# Altium PCB galileo_cleaned.PcbDoc (part 5 of 10)
Units mil, origin at the board's own origin, x right, y up, seen from the top; angles counter-clockwise.
Board outline 4205 x 2835.09 mil, 6 copper layers (TOP, PWR, LYR_1, LYR_2, GND, BOTTOM), stack 80.1 mil thick; 533 components, 432 nets, 2101 pads, 1155 vias.
Unrouted connection lines stored in the file: 669.
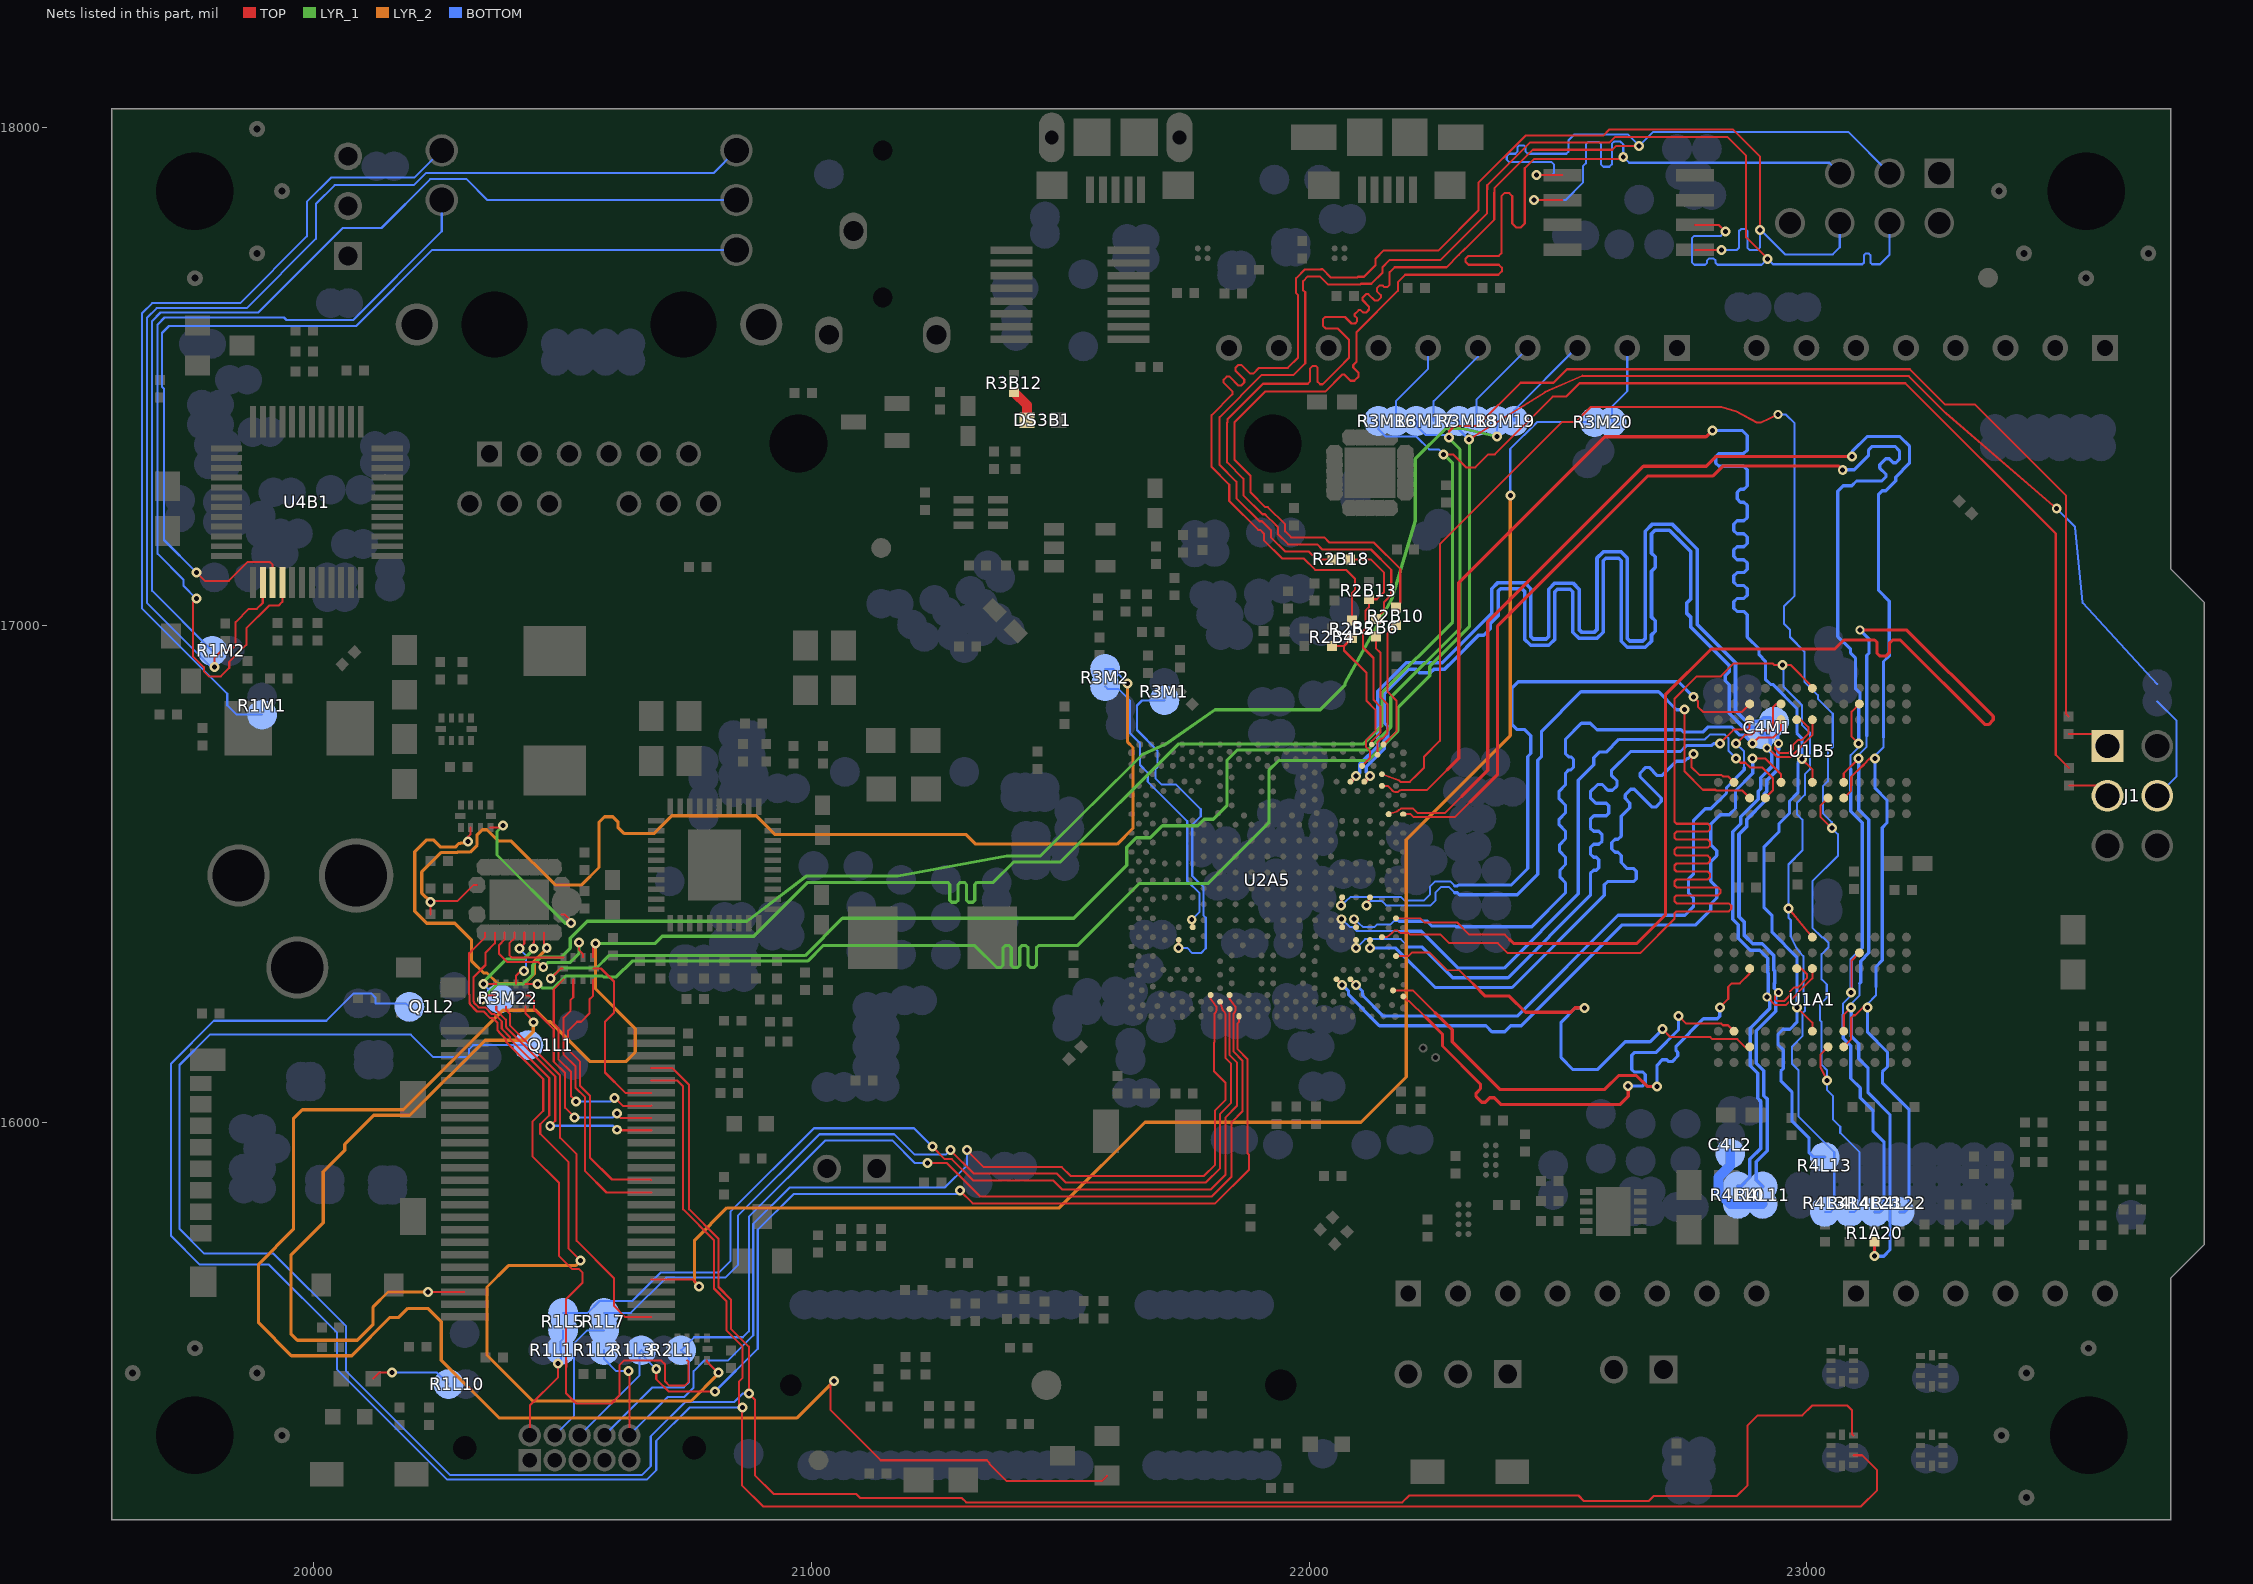
[diagram p9: the nets of this part, all layers, seen from the top]

## Via types
v1: diameter 20, hole 10, TOP to BOTTOM, 1096 vias
v2: diameter 18, hole 10, TOP to BOTTOM, 43 vias
v3: diameter 25, hole 25, TOP to BOTTOM, 16 vias

## Nets (pads, with @x,y where several pads share a name; then routed paths per layer and width w, separated by ;. In a path a pad name is that pad's centre, name@x,y a point inside that pad or via, vN(x,y) a via of type N, cw(c..) or ccw(c..) an arc to the next point about the centre after c; other vN are vias at no path point) (continued)
IO9_GPIO_PWM: R3M20.1 | length 3304.9
  TOP w4.2: 20678,15685 20761,15685 20774,15672 v1(20774,15671)
  LYR_2 w6.5: v1(20774,15671) 20774,15672 20765,15681 20765,15764 20830,15829 21498,15829 21670,16001 22104,16001 22195,16092 22195,16569 22404,16778 v1(22404,17260)
  BOTTOM w4.2: v1(22404,17260) 22404,17354 22458,17408 R3M20.1@22573,17408
IO9_GPIO_PWM_R: R3M20.2 | length 161.8
  BOTTOM w4.2: R3M20.2@22608,17408 22608,17439 22639,17470 22639,17557
IO10: R3M19.1 | length 2724.8
  TOP w4.2: v1(20338,16248) 20346,16256 20365,16256
  LYR_1 w6.5: v1(20338,16248) 20369,16279 20421,16279 20440,16298 20440,16317 20456,16333 20497,16333 20515,16351 20515,16371 20549,16405 20870.31,16405 20990,16496 21174,16496 21392,16536 21460,16536 21665,16740 21712,16761 21811,16830 22022,16830 22072,16880 22072,16883 22166,17053 22213,17209.09 22213,17334 22274,17395 22307.67,17395 v1(22377,17379)
  BOTTOM w4.2: v1(22377,17379) R3M19.1@22377,17410
IO10_GPIO_PWM:  | length 775.4
  TOP w4.2: 20386.16,16233.5 20386.16,16226.84 20394,16219 20394,16196 20495,16095 20495,15970 20528,15937 20528,15763 20603,15688 20603,15632 20625,15610 20678,15610
IO10_MUX:  | length 499.5
  TOP w4.2: 20366.47,16233.5 20366.47,16226.53 20385.8,16207.2 20385.8,16192.6 20387,16191.4 20387,16191 20485,16093 20485,16004 v1(20475,15994) ; v1(20609,15986) 20610,15985 20678,15985
  BOTTOM w4.2: v1(20475,15994) 20601,15994 v1(20609,15986)
IO10_R: R3M19.2 | length 200.8
  BOTTOM w4.2: R3M19.2@22412,17410 22412,17432 22537,17557 22539,17557
IO11: R3M18.1 | length 4681.3
  TOP w4.2: 20425.53,16278.5 v1(20449.5,16278.5) ; v1(22321,17373) 22474,17468 22549,17501 23205,17500 23279,17426 v1(23502,17234)
  LYR_1 w6.5: v1(20449.5,16278.5) 20451.5,16278.5 20459,16271 20482,16271 20506,16295 20580,16295 20582,16293 20608,16293 20640,16325 20992,16325 21023,16356 21328.13,16356 21372.13,16312 21380.53,16312 21384.73,16316.2 21384.73,16351.8 21388.93,16356 21397.33,16356 21401.53,16351.8 21401.53,16316.2 21405.73,16312 21414.13,16312 21418.33,16316.2 21418.33,16351.8 21422.53,16356 21430.93,16356 21435.13,16351.8 21435.13,16316.2 21439.33,16312 21447.73,16312 21451.93,16316.2 21451.93,16351.8 21456.13,16356 21534,16356 21659,16481 21797,16481 21919,16603 21919,16708 21939,16728 22119,16728 22178,16787 22178,16834 22242,16898 22242,16917 22322,16997 22322,17372 v1(22321,17373)
  BOTTOM w4.2: R3M18.1@22301,17410 22301,17393 v1(22321,17373) ; v1(23502,17234) 23539,17197 23554,17045 23704,16881.5
IO11_GPIO_PWM:  | length 1372.9
  TOP w4.2: v1(20229,15660) 20303,15660 ; 20425.53,16233.5 20425.53,16219.47 20443,16202 v1(20441,16202)
  LYR_2 w6.5: v1(20229,15660) 20149,15660 20119,15630 20119,15595 20087,15563 19967,15563 19954,15576 19954,15734 20019,15799 20019,15902 20062,15945 20062,15956.6 20120.4,16015 20193,16015 20344,16166 20424,16166 20441,16183 v1(20441,16202)
IO11_ICSP_R: J1.4 | length 221.8
  BOTTOM w4.2: J1.4@23704,16657 23743,16696 23743,16807.5 23704,16846.5
IO11_MUX:  | length 450.3
  TOP w4.2: 20427,16256 20432,16256 20442,16246 20442,16228 20482,16188 20482,16123 20505,16100 20505,16030 v1(20524,16011) ; v1(20609,16019) 20609,16017 20616,16010 20678,16010
  BOTTOM w4.2: v1(20524,16011) 20601,16011 v1(20609,16019)
IO11_R: R3M18.2 | length 189.7
  BOTTOM w4.2: R3M18.2@22336,17410 22336,17453 22439,17556 22439,17557
IO12: R3M17.1 | length 4592.8
  TOP w4.2: v1(20476,16290) 20496,16310 20500,16310 ; v1(22281,17377) 22281,17389 22292,17400 22338,17400 22425,17487 22490.72,17487 22491.37,17487.37 22518,17514 23207,17514 23278,17443 23338,17443 23521,17260 23521,16821.5 23526,16816.5
  LYR_1 w6.5: v1(20476,16290) 20497,16311 20568,16311 20593,16336 20987,16336 21062,16411 21527,16411 21633.55,16517.55 21633.55,16553.55 21652.74,16572.74 21680.74,16572.74 21705,16597 21776,16597 21789,16610 21807,16610 21835,16638 21835,16729 21855,16749 22118,16749 22164,16795 22164,16855 22303,16994 22303,17353 22280,17376 v1(22281,17377)
  BOTTOM w4.2: R3M17.1@22215,17410 22215,17401 22234,17382 22276,17382 v1(22281,17377)
IO12_GPIO:  | length 561.1
  TOP w4.2: 20521.16,16287.5 20521.16,16252.16 20516,16247 20516,16225 20502,16211 20502,16137 20526,16113 20526,16070 20545,16051 20545,15903 20588,15860 20678,15860
IO12_ICSP_R: J1.1 | length 88.1
  TOP w4.2: 23526,16781.5 23579.5,16781.5 J1.1@23604,16757
IO12_MUX:  | length 432.1
  TOP w4.2: 20501.47,16287.5 20482,16268.03 20482,16199.6 20492,16189.6 20492,16127 20517,16102 20517,16053 v1(20527,16043) ; v1(20604,16050) 20605,16050 20621,16034 20677,16034 20678,16035
  BOTTOM w4.2: v1(20527,16043) 20597,16043 v1(20604,16050)
IO12_R: R3M17.2 | length 183.9
  BOTTOM w4.2: R3M17.2@22250,17410 22250,17450 22339,17539 22339,17557
IO13: R3M16.1 | length 8218.4
  TOP w4.2: 20560.53,16332.5 20560.53,16354.53 v1(20566,16360) ; v1(21045,15481) 21038.5,15474.5 21038.5,15422.5 21139,15322 21352,15322 21358,15316 21358,15314 21392,15280 21583,15280 21594,15291 ; v1(22270,17343) 22289,17343 22315,17317 22334,17317 22360,17343 22373,17343 22489,17459 22516,17459 22543,17486 23198,17486 23500,17184 23500,16739.5 23527,16712.5
  LYR_1 w6.5: v1(20566,16360) 20685,16360 20700,16375 20884,16375 20992,16483 21273.55,16483 21277.75,16478.8 21277.75,16447.2 21281.95,16443 21290.35,16443 21294.55,16447.2 21294.55,16478.8 21298.75,16483 21307.15,16483 21311.35,16478.8 21311.35,16447.2 21315.55,16443 21323.95,16443 21328.15,16447.2 21328.15,16478.8 21332.35,16483 21365,16483 21406,16524 21500,16524 21737,16761 22109,16761 22146,16798 22146,16864 22288,17006 22288,17325 v1(22270,17343)
  LYR_2 w6.5: v1(20566,16360) 20566,16269 20646,16189 20646,16142 20627,16123 20555,16123 20475,16203 20469,16203 20446,16226 20380,16226 20180,16026 19977,16026 19959,16008 19959,15786 19889,15716 19889,15598 19955,15532 20076,15532 20153,15609 20171,15609 20189,15627 20229,15627 20256,15600 20256,15523 20372,15407 20971,15407 v1(21045,15481)
  BOTTOM w4.2: R3M16.1@22139,17410 22139,17394 22154,17379 22215,17379 22241,17353 22260,17353 v1(22270,17343)
IO13_GPIO:  | length 542.6
  TOP w4.2: 20560.53,16287.5 20560.53,16254.53 20554,16248 20554,16220 20537,16203 20529,16203 20511,16185 20511,16147 20535,16123 20535,16074 20555,16054 20555,15930 20599,15886 20677,15886 20678,15885
IO13_ICSP_R: J1.3 | length 85.5
  TOP w4.2: 23527,16677.5 23583.5,16677.5 J1.3@23604,16657
IO13_MUX:  | length 352.2
  TOP w4.2: 20562,16310 20577,16310 20603,16284 20603,16221 20585,16203 20585,16101 20626,16060 20678,16060
IO13_R: R3M16.2 | length 173.9
  BOTTOM w4.2: R3M16.2@22174,17410 22174,17450 22239,17515 22239,17557
JTAG_TCK: R1L7.2 U2A5.M3 | length 1855
  TOP w4: U2A5.M3@21820.98,16243.26 21822.64,16237.94 21825.94,16227.3 21829.14,16223.3 21831.99,16218.67 21831.99,16130.01 21843,16119
  TOP w4.2: v1(21279,15945) 21326,15898 21493,15898 21511,15880 21792,15880 21821,15909 21821,16018 21843,16040 21843,16119
  BOTTOM w4.2: R1L7.2@20583,15618 20637,15618 20708,15689 20827,15689 20852,15714 20852,15813 21016,15977 21166,15977 21207.1,15935.9 21269.9,15935.9 v1(21279,15945)
JTAG_TCK_R: R1L7.1 | length 271.9
  BOTTOM w4.2: 20484,15372 20523,15411 20523,15557 20549,15583 R1L7.1@20583,15583
JTAG_TDI: R2L1.2 U2A5.N4 | length 2149.6
  TOP w4: U2A5.N4@21839.98,16256.82 21839.99,16249.01 21849.15,16236.37 21850.52,16234.59 21852.06,16233.05 21852.06,16227.05 21850.85,16223.04 21847.99,16219.16 21847.99,16143.01 21866,16125
  TOP w4.2: v1(21233,15919) 21233.1,15918.9 21272.1,15918.9 21339,15852 21804,15852 21844,15892 21844,16001 21866,16023 21866,16125
  BOTTOM w4.2: 20584,15372 20680.5,15468.5 20743.5,15468.5 20754,15479 20754,15527 R2L1.2@20738,15543 20764,15569 20862,15569 20874,15581 20874,15811 21027,15964 21163,15964 21208,15919 v1(21233,15919)
JTAG_TDO: R1L3.2 U2A5.R1 | length 2159.1
  TOP w4: U2A5.R1@21858.99,16213.93 21858.99,16203 21855.99,16200 21855.99,16148.01 21876,16128
  TOP w4.2: v1(20688,15505) 20688,15485 20713,15460 v1(20806,15460) ; v1(21298,15864) 21324,15838 21811,15838 21879,15906 21879,15936 21876,15939 21876,16128
  BOTTOM w4.2: 20534,15372 20654,15492 20654,15539 R1L3.2@20658,15543 20664.8,15536.2 20664.8,15528.2 v1(20688,15505) ; v1(20806,15460) 20892,15546 20892,15785 20964,15857 21291,15857 v1(21298,15864)
JTAG_TMS: R1L5.2 U2A5.N2 | length 1954.4
  TOP w4: U2A5.N2@21839.98,16228.59 21839.98,16220.96 21839.99,16136.01 21855,16121
  TOP w4.2: v1(21243,15952) 21267.9,15927.1 21281.9,15927.1 21325,15884 21486,15884 21504,15866 21802,15866 21832,15896 21832,16011 21855,16034 21855,16121
  BOTTOM w4.2: R1L5.2@20501,15618 20550,15618 20574,15642 20640,15642 20697.5,15699.5 20814.5,15699.5 20837,15722 20837,15821 21005,15989 21206,15989 v1(21243,15952)
JTAG_TMS_R: R1L1.2 R1L5.1 | length 239.6
  TOP w4.2: 20434,15372 20434,15432 20491,15489 v1(20491,15516)
  BOTTOM w4.2: v1(20491,15516) 20497,15522 20497,15542 R1L1.2@20496,15543 20496,15560.9 20501,15565.9 R1L5.1@20501,15583
JTAG_TRST_N: R1L2.1 U2A5.L4 | length 2184.9
  TOP w4: U2A5.L4@21801.98,16256.82 21801.98,16249.01 21811.14,16236.37 21812.51,16234.59 21814.05,16233.05 21814.05,16227.05 21812.84,16223.04 21809.98,16219.16 21809.98,16162.61 21809,16161.63 21809,16152
  TOP w4.2: v1(20632,15501) 20634,15499 20634,15372 ; v1(21312,15945) 21346,15911 21503,15911 21521,15893 21788,15893 21811,15916 21811,16025 21832,16046 21832,16080 21809,16103 21809,16152
  BOTTOM w4.2: R1L2.1@20583,15543 20583,15526 20608,15501 v1(20632,15501) ; 20634,15372 20711,15449 20744,15449 20763,15468 20763,15501 20784,15522 20832,15522 20883,15573 20883,15797 20956,15870 21268,15870 21312,15914 v1(21312,15945)
LED_ACT: U4B1.26 | length 2355.5
  TOP w4.2: v1(19800,16916) 19800,16934 19816,16950 19833,16950 19843,16960 19843,17006 19869.5,17032.5 19885.5,17032.5 19897.42,17044.42 U4B1.26@19897.42,17085.58
  BOTTOM w4.2: v1(19800,16916) 19793,16916 19665,17044 19665,17618 19684,17637 19865,17637 20004,17776 20004,17846 20042,17884 20201,17884 20225,17908 20803,17908 20849,17954
LED_LINK: U4B1.28 | length 1746
  TOP w4.2: v1(19764,17053) 19757,17046 19757,16937.63 19779.1,16915.53 19779.1,16906.9 19789,16897 19813,16897 19830,16914 19830,16926 19864.5,16960.5 19864.5,16993.5 19910.5,17039.5 19929.5,17039.5 19936.79,17046.79 U4B1.28@19936.79,17085.58
  BOTTOM w4.2: v1(19764,17053) 19738,17079 19738,17091 19686,17143 19686,17604 19700,17618 19940,17618 19945,17613 20079,17613 20257,17791 20257,17854
LED_RJ45_C1: R1M1.1 | length 1714.9
  BOTTOM w4.2: R1M1.1@19896,16820 19845,16820 19826,16839 19826,16862 19655,17033 19655,17627 19675,17647 19852,17647 19986,17781 19986,17850.6 20034.4,17899 20202,17899 20257,17954
LED_RJ45_C2: R1M2.1 | length 2022.6
  BOTTOM w4.2: R1M2.1@19796,16948 19675,17069 19675,17611 19692,17628 19888,17628 20058,17798 20136,17798 20234,17896 20307,17896 20349,17854 20849,17854
LED_SD: R1L10.1 | length 166
  TOP w4.2: 20119,15486 20131,15498 v1(20157,15498)
  BOTTOM w4.2: v1(20157,15498) 20247.5,15498 R1L10.1@20270.5,15475
LED_SPEED: U4B1.27 | length 1946.5
  TOP w4.2: v1(19764,17106) 19781,17089 19829,17089 19867,17127 19911,17127 19917.1,17120.9 U4B1.27@19917.1,17085.58
  BOTTOM w4.2: v1(19764,17106) 19699,17171 19699,17475 19695,17479 19695,17587 19709,17601 20085,17601 20238,17754 20849,17754
LED_VBUS1: DS3B1.1 R3B12.1 | length 66.8
  TOP w20: R3B12.1@21407,17468 21433,17442 DS3B1.1@21433,17412
LSPI_CS_N: R2B6.2 | length 3138.8
  TOP w4.2: R2B6.2@22134,17012 22150.5,17028.5 22150.5,17046.42 22164.8,17060.72 22164.8,17111.11 22124.11,17151.8 22026.4,17151.8 22016,17162.2 21957.71,17162.2 21937.3,17182.61 21937.3,17196.61 21932.45,17201.45 21912.96,17220.95 21911.12,17222.8 21906.12,17222.8 21867.8,17261.12 21867.8,17294.1 21835,17326.9 21835,17406.82 21835.8,17407.62 21835.8,17413.61 21904.18,17482 21907.17,17485 21997,17485 22002,17490 22002,17516 22007,17521 22013,17521 22017,17517 22017,17489 22022,17484 22027.01,17484 22059,17515.99 22080,17537 22080,17573 22057,17596 22033.08,17596 22027.54,17601.54 22027.54,17614.54 22032,17619 22072,17619 22085,17606 22092.11,17606 22096.44,17610.33 22096.44,17616.27 22091,17621.71 22091,17624.8 22099.2,17633 22103.47,17633 22108.32,17628.15 22114.26,17628.15 22120.2,17634.09 22120.2,17640.03 22107,17653.23 22107,17658 22114,17665 22118.99,17665 22132.08,17651.91 22138.03,17651.91 22144,17657.88 22144,17663 22136,17671 22136,17676.92 22141.08,17682 22148,17682 22151,17679 22157,17679 22161.7,17683.7 22161.7,17709 22171.7,17719 22276,17719 22300.8,17743.8 22300.8,17743.88 22313.12,17756.2 22313.2,17756.2 22371.8,17814.8 22371.8,17868.88 22372,17869.08 22372,17877.92 22449.28,17955.2 22608.89,17955.2 22616.69,17963 v1(22663,17963) ; v1(22457,17904) 22509,17904
  BOTTOM w4.2: v1(22457,17904) 22487,17904 22492,17909 22492,17925.31 22487,17930.31 22401.92,17930.31 22397,17935.23 22397,17942.19 22401.92,17947.11 22413.98,17947.11 22418.18,17951.31 22418.18,17959.8 22422.38,17964 22430.78,17964 22434.98,17959.8 22434.98,17951.31 22439.18,17947.11 22516.8,17947.11 22521,17951.31 22521,17974 22533,17986 22640,17986 v1(22663,17963) 22691,17991 23083,17991 23166,17908
LSPI_CS_N_R: R2B6.1 U2A5.AM33 | length 257.1
  TOP w4: U2A5.AM33@22137.12,16739.48 22137.12,16762.12 22137.19,16762.19 22137.19,16765.05 22144.21,16772.07 22147.07,16772.07 22151,16776
  TOP w4.2: R2B6.1@22134,16977 22134,16953.4 22143.4,16944 22143.4,16855 22157.2,16841.2 22157.2,16782.2 22151,16776
LSPI_MISO: R2B10.2 U2A5.AN35 | length 264.6
  TOP w4.2: U2A5.AN35@22149.19,16760.07 22175,16785.88 22175,16848.6 22157.6,16866 22157.6,16983.6 R2B10.2@22174,17000
LSPI_MISO_R: R2B10.1 | length 2961.9
  TOP w4.2: R2B10.1@22174,17035 22183,17044 22183,17113 22130,17166 22040.4,17166 22030,17176.4 21963.6,17176.4 21951.5,17188.5 21951.5,17202.5 21917,17237 21912,17237 21882,17267 21882,17300 21850,17332 21850,17407.73 21911.27,17469 21993.37,17469 21993.47,17469.1 22032.19,17469.1 22066.59,17503.5 22070.5,17503.5 22083,17491 22090.8,17491 22099,17499.2 22099,17507 22088.5,17517.5 22088.5,17522.5 22095,17529 22095,17588.8 22178,17671.8 22178,17689.1 22192.9,17704 22380,17704 22387,17711 22387,17718 22381,17724 22320,17724 22314,17730 22314,17736 22320,17742 22381,17742 22386,17747 22386,17862 22392,17868 22402,17868 22408,17862 22408,17807 22416,17799 22425,17799 22433,17807 22433,17918 22451.8,17936.8 22626.8,17936.8 v1(22631,17941) ; v1(22452,17854) 22509,17854
  BOTTOM w4.2: v1(22452,17854) 22515,17854 22550,17889 22550,17922 22556,17928 22556,17966 22561,17971 22582,17971 22586,17967 22586,17926 22591,17921 22603,17921 22608,17926 22608,17967 22612.8,17971.8 22625.2,17971.8 22631,17966 v1(22631,17941) 22643,17929 23045,17929 23066,17908
LSPI_MOSI: R2B5.2 | length 2852.5
  TOP w4.2: R2B5.2@22086,17009 22086,17064 22092,17070 22092,17093 22074,17111 22011.8,17111 21989,17133.8 21945.93,17133.8 21908.9,17170.83 21908.9,17184.1 21901.68,17191.32 21897.43,17191.32 21839.4,17249.35 21839.4,17282.3 21804,17317.7 21804,17422 21845.73,17463.73 21845.73,17469.67 21828.17,17487.23 21828.17,17493.17 21834.11,17499.11 21840.05,17499.11 21857.61,17481.55 21863.55,17481.55 21869.49,17487.49 21869.49,17493.43 21851.93,17510.99 21851.93,17516.93 21857.87,17522.87 21863.81,17522.87 21881.37,17505.31 21887.31,17505.31 21899,17517 21957,17517 21977.8,17537.8 21977.8,17662.86 21973.69,17666.96 21973.69,17685.27 21973.69,17697.03 21991.56,17714.9 22024.16,17714.9 22024.26,17715 22027,17715 22043.8,17698.2 22096.44,17698.2 22098.24,17700 22110,17700 22133.3,17723.3 22133.3,17736.3 22150,17753 22260,17753 22340,17833 22340,17889.1 22341.9,17891 22342,17891 22434.6,17983.6 22437.51,17983.6 22461.04,17983.6 22591.01,17983.6 22603.41,17996 22851,17996 22906,17941 v1(22906,17794) ; 22775,17754 v1(22828,17754)
  BOTTOM w4.2: v1(22828,17754) 22859.49,17754 22863.69,17758.2 22863.69,17791.8 22867.89,17796 22876.29,17796 22880.49,17791.8 22880.49,17758.2 22884.69,17754 22901,17754 22906,17759 v1(22906,17794) 22907,17794 22956,17745 23052,17745 23066,17759 23066,17808
LSPI_MOSI_R: R2B4.1 R2B5.1 U2A5.AK32 | length 331.5
  TOP w4.2: R2B4.1@22046,16958 22070,16958 ; R2B5.1@22086,16974 22070,16958 ; U2A5.AK32@22106.04,16717.18 22115.31,16726.45 22115.45,16726.45 22122,16733 22122,16747.2 22113.94,16755.26 22113.94,16767.94 22133,16787 22133,16830 22115,16848 22115,16904 22070,16949 22070,16958
LSPI_SCK: R2B18.2 | length 2835.7
  TOP w4.2: R2B18.2@22047,17132 22014.89,17132 21998.89,17148 21951.82,17148 21923.1,17176.72 21923.1,17190.71 21918.25,17195.55 21907.07,17206.75 21905.23,17208.6 21900.24,17208.6 21853.6,17255.24 21853.6,17288.2 21820,17321.8 21820,17417.91 21904.89,17502.8 21968.64,17502.8 21992,17526.16 21992,17668.74 21987.9,17672.85 21987.9,17691.15 21997.44,17700.7 22021.22,17700.7 22037.92,17684 22102.32,17684 22104.12,17685.8 22115.88,17685.8 22124.8,17685.8 22147.5,17708.5 22147.5,17719.5 22161.2,17733.2 22263.2,17733.2 22357.6,17827.6 22357.6,17874.76 22357.8,17874.96 22357.8,17883.8 22443.4,17969.4 22455.16,17969.4 22603,17969.4 22614.6,17981 22840,17981 22878,17943 22878,17779 v1(22921,17736) ; 22775,17804 22823,17804 v1(22836,17791)
  BOTTOM w4.2: v1(22836,17791) 22827,17782 22774,17782 22769,17777 22769,17729 22774,17724 22795.24,17724 22799.44,17728.2 22799.44,17732.8 22803.64,17737 22812.04,17737 22816.24,17732.8 22816.24,17728.2 22820.44,17724 22909,17724 v1(22921,17736) 22932,17725 23111.17,17725 23114.87,17728.69 23114.87,17743.31 23118.56,17747 23123.78,17747 23127.47,17743.31 23127.47,17728.69 23131.15,17725 23147,17725 23166,17744 23166,17808
LSPI_SCK_R: R2B13.1 R2B18.1 U2A5.AM35 | length 473.7
  TOP w4.2: R2B18.1@22082,17132 22123.82,17132 22150.6,17105.22 22150.6,17066.6 22136,17052 R2B13.1@22120,17052 22120.16,17036.16 22113.2,17029.2 22113.2,16993.12 22108,16987.92 22108,16955.08 22129.2,16933.88 22129.2,16849.8 22143,16836 22143,16784 22125.54,16766.54 U2A5.AM35@22125.54,16760.07
LVL_GPIO_INT_IO3:  | length 1702.9
  TOP w4.2: 20363.79,16382.5 20363.79,16360.79 20345,16342 20345,16317 20321,16293 20321,16244 20321.9,16243.1 20321.9,16241.33 20331.33,16231.9 20344.44,16231.9 20357.94,16218.4 20363,16218.4 20377.6,16203.8 20377.6,16189.21 20378.8,16188.01 20378.8,16187.6 20394,16172.4 20394,16169 20473,16090 20473,16015 20455,15997 20455,15978 20512,15921 20512,15747 v1(20536,15723) ; 20789.53,15522.5 20789.53,15520.47 20813,15497 v1(20813,15498)
  LYR_2 w6.5: v1(20536,15723) 20526,15713 20391,15713 20348,15670 20348,15533 20440,15441 20758,15441 20813,15496 v1(20813,15498)
LVL_I2C_SCL: Q1L2.3 | length 5727.8
  TOP w4.2: 20678,16085 20730,16085 20742,16073 20742,15826 20804,15764 20804,15667 20829,15642 20829,15583 20861,15551 20861,15487 20854,15480 20854,15435 v1(20861,15428) 20860,15427 20860,15272 20902.9,15229.1 23108.1,15229.1 23141,15262 23141,15302 23111,15332 23093.66,15332 23093.5,15332.16
  BOTTOM w4.2: Q1L2.3@20192,16233 20185,16240 20124,16240 20124,16251 20115,16260 20080,16260 20025,16205 19799,16205 19713,16119 19713,15772.89 19770.89,15715 19909.89,15715 20046.89,15578 20046.89,15504.11 20268,15283 20669,15283 20688,15302 20688,15361 20755,15428 v1(20861,15428)
LVL_I2C_SDA: Q1L1.3 | length 5970
  TOP w4.2: 20678,16110 20720,16110 20754,16076 20754,15826 20813,15767 20813,15670 20838,15645 20838,15586 20874,15550 v1(20874,15456) 20886.1,15443.9 20886.1,15292 20924.1,15254 21090,15254 21098,15246 21302,15246 21310.7,15237.3 22187.3,15237.3 22201,15251 22541,15251 22552,15240 22682,15240 22692,15250 22859,15250 22881,15272 22881,15392 22901,15412 22991,15412 23011,15432 23081,15432 23091,15422 23091,15374.03 23093.5,15371.53
  BOTTOM w4.2: Q1L1.3@20431,16156 20320.2,16156 20312,16147.8 20312,16132 20240,16132 20195,16177 19791,16177 19730,16116 19730,15787 19780,15737 19919,15737 20065,15591 20065,15501 20274,15292 20659,15292 20677,15310 20677,15370 20746,15439 20845,15439 20862,15456 v1(20874,15456)
LVL_INT_S3_R: R3M1.2 U2A5.G11 | length 717.7
  TOP w4.2: v1(21737.8,16351.35) U2A5.G11@21737.8,16367.35
  BOTTOM w4.2: R3M1.2@21709,16849 21708.5,16848.5 21664,16848.5 21654,16838.5 21654,16837.19 21653.89,16837.08 21653.89,16789.11 21695,16748 21695,16714 21691,16710 21691,16692 21703,16680 21732,16680 21782,16630 21782,16616 21765,16599 21765,16495.9 21787.9,16473 21787.9,16416.33 21792.1,16412.13 21792.1,16350.33 21782.67,16340.9 21769.33,16340.9 21769.23,16341 21765.25,16341 21754.9,16351.35 v1(21737.8,16351.35)
LVL_IO2:  | length 1498.3
  TOP w4.2: 20344.1,16382.5 20344.1,16373.1 20312,16341 20312,16257.81 20312.8,16257.01 20312.8,16240.6 20313.7,16239.7 20313.7,16237.93 20327.93,16223.7 20341.05,16223.7 20354.55,16210.2 20359.61,16210.2 20369.4,16200.41 20369.4,16185.81 20370.6,16184.61 20370.6,16184.2 20372,16182.8 20372,16182.2 20385.8,16168.4 20385.8,16165.6 20386,16165.4 20386,16163 20461,16088 20461,16024 20439,16002 20439,15933 20493,15879 20493,15732 20518.5,15706.5 20532.5,15706.5 20540,15699 20540,15679 20507,15646 20507,15522.77 20507.1,15522.67 20507.1,15509.33 20507,15509.23 20507,15456 20527,15436 20598,15436 20614,15452 20614,15513 20623,15522 20698,15522 20705.5,15514.5 20705.5,15480.5 20714,15472 20745,15472 20753,15480 20753,15519.66 20750.16,15522.5
LVL_OE: R3M2.1 | length 2257
  TOP w4.2: 20234.5,16419 v1(20234.5,16444) 20236.5,16446 20289,16446 20320.53,16477.53 20328,16477.53
  LYR_2 w6.5: v1(20234.5,16444) 20217,16461.5 20217,16504 20256.25,16543.25 20288.5,16543.25 20289.25,16544 20314,16544 20328,16558 20328,16579 20338,16589 20348,16589 20371,16566 20397,16566 20485,16478 20538,16478 20573,16513 20573,16604 20584,16615 20601,16615 20611,16605 20611,16594 20624,16581 20683,16581 20719,16617 20889,16617 20927,16579 21311,16579 21330,16560 21614,16560 21646,16592 21646,16754 21635,16765 v1(21635,16883)
  BOTTOM w4.2: R3M2.1@21590,16912 21606,16912 v1(21635,16883)
LVL_OE_R: R3M2.2 U2A5.J12 | length 582.3
  TOP w4.2: v1(21764,16408) 21765.8,16406.2 U2A5.J12@21765.8,16393
  BOTTOM w4.2: R3M2.2@21590,16877 21595.62,16871.38 21617,16871.38 21639.69,16848.69 21639.69,16783.22 21660,16762.91 21660,16719 21675.5,16703.5 21675.5,16685.5 21755,16606 21755,16485.7 21779.7,16461 21779.7,16423.7 v1(21764,16408)
LVL_RXD:  | length 330.4
  TOP w4.2: 20354.53,16593.5 20378.54,16593.5 20380,16592.04 20379.77,16591.81 v1(20379.77,16597) ; 20498,16418.47 20504.53,16418.47 20517,16406 v1(20517,16401)
  LYR_1 w6.5: v1(20379.77,16597) 20368,16585.23 20368,16538 20505,16401 v1(20517,16401)
LVL_SPI1_CS_N: R3M22.2 | length 236.1
  TOP w4.2: v1(20340.5,16278.5) 20366.47,16278.5 ; v1(20441,16350) 20441,16361.47 20442.53,16363 20442.53,16382.5
  LYR_1 w6.5: v1(20340.5,16278.5) 20340.5,16282.5 20387,16329 20422,16329 20441,16348 v1(20441,16350)
  BOTTOM w4.2: v1(20340.5,16278.5) 20356,16263 R3M22.2@20373,16250
LVL_SPI1_MISO:  | length 160
  TOP w4.2: 20403.16,16382.5 20403.16,16371.16 20393,16361 20393,16337 20397.5,16332.5 20501.47,16332.5
LVL_SPI1_MOSI:  | length 125.3
  TOP w4.2: 20405.84,16278.5 20405.84,16294.84 20416,16305 v1(20422,16305) ; v1(20413,16350) 20422.84,16359.84 20422.84,16382.5
  BOTTOM w4.2: v1(20413,16350) 20426,16337 20426,16312 20422,16308 v1(20422,16305)
LVL_SPI1_SCK:  | length 284.8
  TOP w4.2: 20383.47,16382.5 20383.47,16368.47 20372,16357 20372,16340 20389,16323 20451,16323 v1(20461,16313) ; v1(20533,16362) 20533,16346.84 20540.84,16339 20540.84,16332.5
  LYR_1 w6.5: v1(20461,16313) 20470,16322 20514,16322 20533,16341 v1(20533,16362)
LVL_TXD:  | length 706.3
  TOP w4.2: v1(20310,16565) 20310,16575 20315.16,16580.16 20315.16,16593.5 ; 20462.21,16382.5 20462.21,16356.79 v1(20468,16351)
  LYR_2 w6.5: v1(20310,16565) 20309,16565 20306,16562 20295,16562 20294.25,16561.25 20291.65,16561.25 20284.4,16554 20255,16554 20241,16568 20226,16568 20203,16545 20203,16425 20227,16401 20283,16401 20317,16367 20317,16325 20341,16301 20348,16301 20369,16280 20424,16280 20443,16299 20443,16325 20468,16350 v1(20468,16351)
M_BS<0>: R4L22.1 U1A1.J2 U1B5.J2 U2A5.AP26 | length 3446.6
  TOP w4: U2A5.AP26@22159.74,16620.03 22175.7,16624.98 22179.7,16628.18 22184.33,16631.03 22209,16631.03 22218.03,16622 22272.74,16622 22306.74,16656
  TOP w4.2: U1A1.J2@23073.99,16152.51 23089,16167.52 23089,16177.66 23089.09,16177.75 23089.09,16211.09 23094,16216 23097,16216 23113,16232 v1(23122,16232) ; U1B5.J2@23073.99,16652.51 23089,16667.52 23089,16677.66 23089.09,16677.75 23089.09,16695.09 23109.9,16715.9 23110.67,16715.9 23120.1,16725.33 23120.1,16726.1 23126,16732 v1(23137,16732)
  TOP w6.5: 22306.74,16656 22358.95,16708.21 22358.95,17006.36 22671.59,17319 22798,17319 22818,17339 v1(23091,17339)
  BOTTOM w4.2: v1(23122,16232) 23122,16239.23 23138.9,16256.13 23138.9,16273 ; v1@23137,16738 23153.9,16754.9 23153.9,16774
  BOTTOM w6.5: v1(23091,17339) 23091,17349 23121,17379 23187,17379 23206,17360 23206,17325 23178.5,17297.5 23178.5,17289.92 23158.68,17270.1 23151.1,17270.1 23144,17263 23144,17069.5 23165.5,17048 23165.5,16938.5 23153.9,16926.9 23153.9,16774 ; v1(23122,16232) 23122,16182 23162,16142 23162,16112.4 23151.75,16102.15 23151.75,16080.25 23205,16027 23205,15829 23197,15821 R4L22.1@23186,15821 ; v1@23137,16738 v1(23137,16732) 23137,16672 23161,16648 23161,16603 23151.25,16593.25 23151.25,16326.25 23138.9,16313.9 23138.9,16273
M_BS<1>: R4L23.1 U1A1.K8 U1B5.K8 U2A5.AT26 | length 3431.3
  TOP w4: U2A5.AT26@22189.07,16620.03 22203.99,16620.02 22210.01,16614 22292.32,16614 22323.16,16644.84
  TOP w4.2: v1(23089,16262) 23090,16263 23090,16326 U1A1.K8@23105.49,16341.49 ; v1(23104,16762) 23090,16776 23090,16826 U1B5.K8@23105.49,16841.49
  TOP w6.5: 22323.16,16644.84 22378.45,16700.13 22378.45,16998.28 22679.67,17299.5 22810.5,17299.5 22830.5,17319.5 23064.5,17319.5 v1(23072,17312)
  BOTTOM w4: 23073,16217 23073,16240 23089,16256 v1(23089,16262)
  BOTTOM w4.2: 23087.9,16711 23087.9,16738.67 23104,16754.77 v1(23104,16762)
  BOTTOM w6.5: v1(23072,17312) 23095,17312 23124,17341 23124,17352 23131,17359 23177,17359 23186,17350 23186,17333 23179,17326 23173.46,17326 23165.27,17334.2 23158.2,17334.2 23146.54,17322.54 23146.54,17315.46 23159,17303 23159,17298 23150.6,17289.6 23099.6,17289.6 23090,17280 23073,17280 23062,17269 23062,16977 23087.75,16951.25 23087.75,16943.85 23097.5,16934.1 23097.5,16872.89 23106.51,16863.88 23106.51,16841.51 23104,16839 v1(23104,16762) ; 23073,16217 23073,16170 23088,16155 23088,16089 23107,16070 23107,16050 23133,16024 23133,15983 23155,15961 23155,15829 23147,15821 R4L23.1@23136,15821 ; 23087.9,16711 23087.9,16626.1 23111.25,16602.75 23111.25,16351.25 23089,16329 v1(23089,16262)
M_BS<2>: R1A20.1 U1A1.J3 U1B5.J3 U2A5.AR13 | length 3700.5
  TOP w4: U2A5.AR13@22174.41,16410.98 22223.02,16410.98 22232,16402 22298,16402 22322,16378 22393,16378 22403,16368
  TOP w4.2: U1A1.J3@23073.99,16184.01 23073.99,16216.99 v1(23089,16232) ; U1B5.J3@23073.99,16684.01 23073.99,16701.99 v1(23104,16732)
  TOP w6.5: 22403,16368 22410.75,16360.25 22658.44,16360.25 22715.65,16417.46 22715.65,16859.65 22808,16952 23056,16952 23074,16970 23136,16970 23141,16965 23141,16943 23146,16938 23159.35,16938 23165.85,16944.5 23165.85,16963.5 23172.35,16970 23188,16970 23357.96,16800.04 23365.04,16800.04 23374.46,16809.46 23374.46,16816.54 23201,16990 v2(23107,16990) ; v1(23136,15732) R1A20.1@23136,15761
  BOTTOM w4.2: v1(23089,16232) 23089,16239.23 23105.9,16256.13 23105.9,16280 ; v1@23104,16739.23 23120.1,16755.33 23120.1,16777
  BOTTOM w6.5: v1(23089,16232) 23089,16174 23104,16159 23104,16129 23123,16110 23123,16060 23167,16016 23167,15744.74 23154.26,15732 v1(23136,15732) ; v1@23104,16739.23 v1(23104,16732) 23104,16629 23124.25,16608.75 23124.25,16341.25 23108,16325 23108,16282.1 23105.9,16280 ; v2(23107,16990) 23125,16972 23125,16944 23120.1,16939.1 23120.1,16777
M_CAS_N: R4L13.1 U1A1.G3 U1B5.G3 U2A5.AN29 | length 3293.2
  TOP w4: U2A5.AN29@22146.18,16677.04 22157.44,16677.04 22166.5,16667.97 22167.65,16667.1 22169.52,16665.97 22172.67,16665.04 22178.32,16665.04 22181.87,16667.52 22184.98,16668.94 22187,16669.03 22228.44,16669.04 22237.04,16669.04 22277,16709 ; v1(22980,16232) 23011,16201
  TOP w4.2: v1(22990,16731) 23011,16710 U1B5.G3@23011,16684.01 ; U1A1.G3@23011,16184.01 23011,16201
  TOP w6.5: 22277,16709 22300.45,16732.45 22300.45,17085.03 22593.93,17378.5 22610.07,17378.5 ; 22610.08,17378.5 22797.5,17378.5 v1(22810,17391)
  BOTTOM w6.5: v1(22810,17391) 22870,17391 22880,17381 22880,17351.54 22873.5,17345.04 22823.5,17345.04 22817,17338.54 22817,17325.54 22823.5,17319.04 22873.5,17319.04 22880,17312.54 22880,17279.56 22873.5,17273.06 22866.5,17273.06 22860,17266.56 22860,17253.56 22866.5,17247.06 22873.5,17247.06 22880,17240.56 22880,17216.01 22873.5,17209.51 22859.5,17209.51 22853,17203.01 22853,17190.01 22859.5,17183.51 22873.5,17183.51 22880,17177.01 22880,17164.01 22873.5,17157.51 22859.5,17157.51 22853,17151.01 22853,17138.01 22859.5,17131.51 22873.5,17131.51 22880,17125.01 22880,17112.01 22873.5,17105.51 22859.5,17105.51 22853,17099.01 22853,17086.01 22859.5,17079.51 22873.5,17079.51 22880,17073.01 22880,17060.01 22873.5,17053.51 22859.5,17053.51 22853,17047.01 22853,17034.01 22859.5,17027.51 22873.5,17027.51 22880,17021.01 22880,16976 22904,16952 22904,16940 22916.75,16927.25 22916.75,16890.85 22926.85,16880.75 22931.73,16880.75 22980,16832.48 22980,16783 22990,16773 v1(22990,16731) 22982,16723 22982,16663 22965,16646 22965,16622 22944,16601 22944,16584.63 22914,16554.63 22914,16432 22930,16416 22930,16382.49 22980,16332.48 v1(22980,16232) 22980,16202 22966,16188 22952,16188 22942,16178 22942,16157 22952.5,16146.5 22952.5,16108.9 22947.75,16104.15 22947.75,16084.25 22970,16062 22970,16004 23004,15970 23004,15941 23014,15931 R4L13.1@23036,15931
M_CK<0>: C4M1.1 R4L11.1 U1A1.F7 U1B5.F7 U2A5.AJ30 | length 3614.1
  TOP w4: v2(22943,16262) 22935.66,16254.66 22935.66,16248.66 22939.81,16244.5 22954,16244.5 22966.22,16256.72 22966.22,16264.22 22973.75,16271.75 22981.25,16271.75 23000,16290.5 23000,16299 22989.01,16309.99 U1A1.F7@22979.5,16309.99 ; v2(22943,16762) 22936,16755 22936,16751 22944,16743 22964,16743 22972,16751 22972,16759 22982.5,16769.5 22990.5,16769.5 23003,16782 23003,16795 22988.01,16809.99 U1B5.F7@22979.5,16809.99
  TOP w7.2: U2A5.AJ30@22082.8,16685.38 22083.03,16685.38 v1(22094.2,16696.55)
  BOTTOM w7.2: v1(22094.2,16696.55) 22101.95,16704.3 22101.95,16720.75 22138,16756.8 22138,16867 22195.15,16924.15 22267.15,16924.15 22367,17024 22367,17073.18 22379.32,17085.5 22432.87,17085.5 22445.19,17073.18 22445.19,16977 22450.19,16972 22476.19,16972 22481.19,16977 22481.19,17072.18 22493.51,17084.5 22529.87,17084.5 22542.19,17072.18 22542.19,16991 22547.19,16986 22573.19,16986 22578.19,16991 22578.19,17134.68 22590.51,17147 22626.87,17147 22639.19,17134.68 22639.19,16973 22644.19,16968 22670.19,16968 22675.19,16973 22675.19,17188.48 22689.71,17203 22729,17203 22759.5,17172.5 22779.5,17152.5 22779.5,17001.18 22856.5,16924.18 22856.5,16828.18 22877.78,16806.9 22905.18,16806.9 22912.28,16814 22926,16814 C4M1.1@22934,16806 22939.58,16786.16 v2(22943,16762) 22943,16750 22941.5,16748.5 22941.5,16709.82 22919.5,16687.82 22919.5,16665.82 22914.5,16660.82 22914.5,16644.82 22879.5,16609.82 22879.5,16595.82 22863.5,16579.82 22863.5,16414.18 22874.5,16403.18 22874.5,16376.18 22891.18,16359.5 22910.18,16359.5 22933.8,16335.88 22933.8,16306.48 22935.1,16305.18 22935.1,16280.52 22934.5,16279.92 22934.5,16270.5 v2(22943,16262) 22937.5,16256.5 22937.5,16223.82 22898.5,16184.82 22898.5,16119.5 22913.5,16104.5 22913.5,16054.5 22920.16,16047.84 22920.16,15943.66 22898,15921.5 22898,15885 R4L11.1@22911,15872
M_CK_CAP: C4L2.2 R4L10.2 R4L11.2 | length 185.9
  BOTTOM w20: C4L2.2@22846,15938 22846,15914 22822,15890 22822,15861 22846,15837 R4L10.2@22861,15837 R4L11.2@22911,15837
M_CK_N<0>: C4M1.2 R4L10.1 U1A1.G7 U1B5.G7 U2A5.AL30 | length 3609.5
  TOP w4: v2(22920,16253) 22936.5,16236.5 22957.32,16236.5 23011,16290.18 U1A1.G7@23011,16309.99 ; v2(22920,16753) 22922.68,16753 22940.68,16735 22967.31,16735 23011,16778.69 U1B5.G7@23011,16809.99
  TOP w7.2: U2A5.AL30@22110.8,16685.38 22111.03,16685.38 v1(22122.2,16696.55)
  BOTTOM w7.2: v1(22122.2,16696.55) 22114.45,16704.3 22114.45,16715.57 22150.5,16751.62 22150.5,16767.51 22158,16775.01 22158,16796.61 22150.5,16804.11 22150.5,16861.82 22200.33,16911.65 22214.04,16911.65 22221.69,16904 22243.29,16904 22250.94,16911.65 22272.33,16911.65 22291.37,16930.69 22340.19,16979.51 22350.51,16979.51 22364,16993 22364,17003.32 22379.5,17018.82 22379.5,17068 22384.5,17073 22427.69,17073 22432.69,17068 22432.69,16971.82 22445.01,16959.5 22481.37,16959.5 22493.69,16971.82 22493.69,17067 22498.69,17072 22524.69,17072 22529.69,17067 22529.69,16985.82 22542.01,16973.5 22578.37,16973.5 22590.69,16985.82 22590.69,17129.5 22595.69,17134.5 22621.69,17134.5 22626.69,17129.5 22626.69,16967.82 22639.01,16955.5 22675.37,16955.5 22687.69,16967.82 22687.69,16980.09 22695,16987.4 22695,17009 22687.69,17016.31 22687.69,17108.52 22695,17115.83 22695,17137.32 22687.69,17144.63 22687.69,17183.3 22694.89,17190.5 22723.82,17190.5 22767,17147.32 22767,17052.91 22759,17044.91 22759,17023.31 22767,17015.31 22767,16996 22844,16919 22844,16906 22836,16898 22836,16888 22844,16880 22844,16823 22872.6,16794.4 22896.1,16794.4 22899.75,16790.75 C4M1.2@22909.25,16781.25 22917.75,16781.25 22926,16773 22926,16759 v2(22920,16753) 22929,16744 22929,16715 22907,16693 22907,16671 22902,16666 22902,16650 22867,16615 22867,16601 22851,16585 22851,16409 22862,16398 22862,16371 22886,16347 22905,16347 22921.3,16330.7 22921.3,16301.3 22922.6,16300 22922.6,16285.7 22922,16285.1 22922,16255 v2(22920,16253) 22925,16248 22925,16229 22886,16190 22886,16114.32 22901,16099.32 22901,16049.32 22907.66,16042.67 22907.66,15948.83 22885.5,15926.68 22885.5,15890.5 22867,15872 R4L10.1@22861,15872
M_CKE<0>: R4L3.1 U1A1.G9 U1B5.G9 U2A5.AN11 | length 3629
  TOP w4: U2A5.AN11@22146.18,16372.98 22155.98,16372.98 22166.49,16382.03 22167.86,16383.08 22171.01,16386.24 22177.31,16386.24 22179.95,16383.84 22184.18,16380.98 22200,16380.98 22202.98,16378 22264,16378 22281,16361
  TOP w4.2: 22281,16361 22379,16361 22399,16341 22665,16341 22665.9,16341.9 22666.05,16341.9 22734.01,16409.86 22734.01,16420.91 22738,16424.9 22843.31,16424.9 22848,16429.59 22848,16436.21 22843.31,16440.9 22738,16440.9 22734,16444.9 22734,16452.9 22738,16456.9 22821.31,16456.9 22826,16461.59 22826,16468.21 22821.31,16472.9 22738,16472.9 22734,16476.9 22734,16484.9 22738,16488.9 22801,16488.9 22805,16492.9 22805,16500.9 22801,16504.9 22738,16504.9 22734,16508.9 22734,16516.9 22738,16520.9 22801,16520.9 22805,16524.9 22805,16532.9 22801,16536.9 22738,16536.9 22734,16540.9 22734,16548.9 22738,16552.9 22801,16552.9 22805,16556.9 22805,16564.9 22801,16568.9 22738,16568.9 22734,16572.9 22734,16580.9 22738,16584.9 22801,16584.9 22805,16588.9 22805,16596.9 22801,16600.9 22738,16600.9 22734,16604.9 22734,16852 22779,16897 22827,16897 22853,16923 22930.9,16923 22933.9,16920 v1(22951,16920) 22967,16920 23011,16876 U1B5.G9@23011,16872.98 ; v1(22963,16431) U1A1.G9@23011,16372.98
  BOTTOM w4.2: v1(22951,16920) 22951,16911.9 22953,16909.9 22953,16876.5 22990,16839.5 22990,16800 23006.1,16783.9 23006.1,16710.1 22996,16700 22996,16659 22980,16643 22980,16620 22991,16609 22991,16547 22963,16519 v1(22963,16431) 22963,16412 22967.5,16407.5 22967.5,16374 22978.32,16353.1 22985.67,16343.02 22993,16335 22993,16257 22996.1,16253.9 22996.1,16225.33 22991,16220.23 22991,16174 22970,16153 22970,16119 22983,16106 22983,16013 23055,15941 23055,15828 23048,15821 R4L3.1@23036,15821
M_CS_N<0>: R4L4.1 U1A1.H2 U1B5.H2 U2A5.AN31 | length 3313.8
  TOP w4: U2A5.AN31@22146.18,16700.38 22181.06,16687.37 22183.39,16685.04 22202.04,16685.04 22210.5,16693.5
  TOP w4.2: 22210.5,16693.5 22231,16714 22231,16736 22262.6,16767.6 22262.6,17162.56 22508.52,17408.48 22536.13,17408.48 22566,17438.35 22828.25,17438.35 22858.74,17428.84 22899,17407 22908,17407 v2(22942,17423) ; v1(23040,16085) 23027,16112 23027,16137.01 U1A1.H2@23042.5,16152.51 ; U1B5.H2@23042.5,16652.51 23027,16637.01 23027,16615 v1(23050,16592)
  BOTTOM w4.2: v2(22942,17423) 22958,17423 22975.35,17405.65 22975.35,17059 22954,17037.65 22954,17003 22966,16991 22966,16976 22995,16947 22995,16886 23022,16859 23022,16852 23052,16822 23052,16755 23042,16745 23042,16686 23032,16676 23032,16622 23050,16604 v1(23050,16592) 23062.1,16579.9 23062.1,16536.1 23011,16485 23011,16392 23030.66,16372.34 23033.01,16372.34 23043.5,16361.85 23043.5,16352.5 23029.6,16338.6 23029.6,16288.4 23039.9,16278.1 23039.9,16251.13 23026,16237.23 23026,16206 23029.5,16202.5 23029.5,16116.5 23040,16106 v1(23040,16085) 23040,16066.1 23052.1,16054 23052.1,16007 23067,15992.1 23067,15980 23106,15941 23106,15831 23096,15821 R4L4.1@23086,15821
M_DQ<0>: U1B5.B3 U2A5.AL11 | length 1343.7
  TOP w4: v1(22122.2,16351) U2A5.AL11@22122.2,16367
  TOP w4.2: v1(22772,16741) 22768,16738 22768,16715 22783.89,16699.11 22828.28,16699.11 22831.39,16696 22841.53,16696 U1B5.B3@22853.52,16684.01
  BOTTOM w6.5: v1(22122.2,16351) 22174,16351 22253.1,16271.9 22407.71,16271.9 22593,16457.19 22593,16478.35 22599.5,16484.85 22652,16484.85 22657,16489.85 22657,16505.85 22652,16510.85 22639.15,16510.85 22627,16523 22627,16537.12 22620.5,16543.62 22614.5,16543.62 22608,16550.12 22608,16563.12 22614.5,16569.62 22620.5,16569.62 22627,16576.12 22627,16616 22644.24,16633.24 22644.24,16642.44 22634.88,16651.8 22634.88,16658.88 22646.19,16670.19 22653.27,16670.19 22689.19,16634.27 22696.27,16634.27 22707.58,16645.58 22707.58,16652.66 22664.66,16695.58 22664.66,16702.66 22675.97,16713.97 22683.05,16713.97 22699.41,16697.61 22708.61,16697.61 22737.5,16726.5 22754.08,16726.5 22759.58,16732 22762,16732 v1(22772,16741)
M_DQ<1>: U1B5.C7 U2A5.AK11 | length 1345.3
  TOP w4: v1(22094.2,16351) U2A5.AK11@22094.2,16367
  TOP w4.2: v1(22825,16762) 22853,16790 22881.13,16790 22885.02,16793.89 U1B5.C7@22885.02,16809.99
  BOTTOM w4: v1(22094.2,16351) 22112.2,16369 22184,16369 22200,16353
  BOTTOM w6.5: 22200,16353 22227,16353 22288.6,16291.4 22399.63,16291.4 22565,16456.77 22565,16501.13 22571.5,16507.63 22577,16507.63 22582,16512.63 22582,16528.63 22577,16533.63 22571.5,16533.63 22565,16540.13 22565,16553.13 22571.5,16559.63 22582,16559.63 22588.5,16566.13 22588.5,16579.13 22582,16585.63 22571.5,16585.63 22565,16592.13 22565,16610 22572,16617 22597,16617 22602,16622 22602,16637 22597,16642 22576,16642 22565,16653 22565,16665 22579.67,16679.67 22588.87,16679.67 22600.17,16668.37 22609.37,16668.37 22618.56,16677.56 22618.56,16686.76 22607.26,16698.06 22607.26,16707.26 22646,16746 22746,16746 22758.25,16758.25 22809.25,16758.25 22813,16762 v1(22825,16762)
M_DQ<2>: U1B5.C2 U2A5.AL15 | length 1320.3
  TOP w4: v1(22115,16437) U2A5.AL15@22122.2,16453
  TOP w4.2: v1(22754,16830) 22754,16706 22790.9,16669.1 22815.9,16669.1 22817,16668 22869.53,16668 U1B5.C2@22885.02,16652.51
  BOTTOM w4: v1(22115,16437) 22123.83,16445.83 22123.83,16446 22145.63,16446 22154.63,16437 22244,16437 22254,16447 22254,16463 22265,16474 22280,16474 22292,16462
  BOTTOM w6.5: 22292,16462 22298,16462 22301.75,16458.25 22418.25,16458.25 22459,16499 22459,16728.42 22467,16736.42 22467,16787 22546,16866 22702,16866 22738,16830 v1(22754,16830)
M_DQ<3>: U1B5.C8 U2A5.AH15 | length 1354.2
  TOP w4: v1(22064.2,16437) U2A5.AH15@22066.2,16453
  TOP w4.2: v1(22772,16856) 22781,16847 22781,16836 22791.53,16825.47 22869,16825.47 U1B5.C8@22885.02,16841.49
  BOTTOM w4: v1(22064.2,16437) 22083.2,16454 22184,16454 22191,16447 22231,16447 22243,16459 22243,16475 22253,16485 22283,16485 22292,16476
  BOTTOM w6.5: 22292,16476 22298,16476 22299.75,16477.75 22405.75,16477.75 22439,16511 22439,16736 22445,16742 22445,16778 22433,16790 22418,16790 22407,16801 22407,16873 22420,16886 22742,16886 v1(22772,16856)
M_DQ<4>: U1B5.E3 U2A5.AG6 | length 1357.2
  TOP w4: U2A5.AG6@22054.8,16288.4 22054.9,16288.4 v1(22066.2,16277.09)
  TOP w4.2: v1(22891,16732) 22916.12,16732 22948.01,16700.11 U1B5.E3@22948.01,16684.01
  BOTTOM w6.5: v1(22066.2,16277.09) 22079.12,16264.17 22079.12,16256.88 22141,16195 22355.19,16195 22367.19,16183 22393.19,16183 22405.19,16195 22426,16195 22628.6,16397.6 22776.6,16397.6 22807,16428 22807,16439.64 22819,16451.64 22819,16473.64 22807,16485.64 22807,16524.82 22819,16536.82 22819,16546.82 22807,16558.82 22807,16600 22826,16619 22844,16619 22856.5,16631.5 22856.5,16667.5 22891,16702 v1(22891,16732)
M_DQ<5>: U1B5.E8 U2A5.AJ6 | length 1355.3
  TOP w4: U2A5.AJ6@22082.8,16288.4 22094.11,16277.09 v1(22094.2,16277.09)
  TOP w4.2: v1(22858,16762) 22876,16780 22888.9,16780 22897.4,16788.5 22928.5,16788.5 22932,16792 22932,16835 22938.49,16841.49 U1B5.E8@22948.01,16841.49
  BOTTOM w4: v1(22858,16762) 22874,16746 22874,16714
  BOTTOM w6.5: v1(22094.2,16277.09) 22107.12,16264.17 22107.12,16255.88 22148.5,16214.5 22417.92,16214.5 22620.52,16417.1 22755.1,16417.1 22772,16434 22772,16452 22762,16462 22762,16489.38 22772,16499.38 22772,16607 22796,16631 22807,16631 22838.5,16662.5 22838.5,16673.5 22874,16709 22874,16714
M_DQ<6>: U1B5.D2 U2A5.AH12 | length 1356.6
  TOP w4: v1(22065.2,16409) U2A5.AH12@22066.2,16393
  TOP w4.2: v1(22858,16732) 22866.5,16723.5 22876.5,16723.5 22886,16714 22910,16714 22932,16692 22932,16668 U1B5.D2@22916.51,16652.51
  BOTTOM w4: v1(22065.2,16409) 22082.2,16393 22088,16393 22096,16385 22197,16385 ; 22742.71,16770.3 22795.3,16770.3 22805,16780 22835,16780 22842,16773 22842,16748 v1(22858,16732)
  BOTTOM w6.5: 22197,16385 22225,16385 22299.1,16310.9 22391.55,16310.9 22540.55,16459.9 22540.55,16688.55 22571.5,16719.5 22571.5,16733.5 22582.89,16744.89 22596.89,16744.89 22622.3,16770.3 22742.71,16770.3
M_DQ<7>: U1B5.E7 U2A5.AK12 | length 1356.7
  TOP w4: v1(22090.2,16409) U2A5.AK12@22094.2,16393
  TOP w4.2: v1(22891,16762) 22903.1,16774.1 22932.1,16774.1 22948.01,16790.01 U1B5.E7@22948.01,16809.99
  BOTTOM w4: v1(22090.2,16409) 22108.57,16393 22131,16393 22136.5,16398.5 22163.5,16398.5 22170,16405 22181,16405
  BOTTOM w6.5: 22181,16405 22237,16405 22246.75,16395.25 22294.15,16395.25 22295.4,16394 22447.07,16394 22515,16461.93 22515,16481.97 22504,16492.97 22504,16507.97 22515,16518.97 22515,16533.97 22503,16545.97 22503,16558.97 22515,16570.97 22515,16585.97 22502,16598.97 22502,16609.97 22515,16622.97 22515,16637.97 22502,16650.97 22502,16666 22515,16679 22515,16702.56 22521.5,16709.06 22526,16709.06 22531,16714.06 22531,16730.06 22526,16735.06 22521.5,16735.06 22515,16741.56 22515,16771 22547,16803 22565,16803 22578.2,16789.8 22747.2,16789.8 22752,16785 22791,16785 22801.5,16795.5 22848.5,16795.5 22865,16779 22874,16779 v1(22891,16762)
M_DQ<8>: U1A1.B3 U2A5.AT3 | length 999.7
  TOP w4: U2A5.AT3@22189.07,16253.81 22198.27,16244.61 22200.89,16244.61 22232.75,16212.75
  TOP w4.2: v1(22742,16215) 22757.89,16199.11 22828.28,16199.11 22831.39,16196 22841.53,16196 U1A1.B3@22853.52,16184.01
  TOP w6.5: 22232.75,16212.75 22267.76,16177.74 22267.76,16154.24 22344.17,16077.83 22344.17,16068.63 22335.31,16059.77 22335.31,16052.69 22346.62,16041.38 22353.7,16041.38 22362.56,16050.24 22371.76,16050.24 22385,16037 22625,16037 22641,16053 v1(22641,16074)
  BOTTOM w6.5: v1(22641,16074) 22670,16074 22675,16079 22675,16097 22670,16102 22653,16102 22648,16107 22648,16136 22653,16141 22696.42,16141 22742,16186.58 v1(22742,16215)
M_DQ<9>: U1A1.C7 U2A5.AP4 | length 1007.5
  TOP w4: U2A5.AP4@22168.44,16265.88 22208.12,16265.88 22253,16221
  TOP w4.2: v1(22825,16232) 22842,16249 22842,16255.23 22841.9,16255.33 22841.9,16268.67 22842,16268.77 22842,16273 22849,16280 22865.02,16280 22885.02,16300 U1A1.C7@22885.02,16309.99
  TOP w6.5: 22253,16221 22287.26,16186.74 22287.26,16162.74 22383,16067 22594,16067 22622,16095 22657,16095 22679,16073 v1(22699,16073)
  BOTTOM w6.5: v1(22699,16073) 22699,16116 22709.53,16126.53 22718.73,16126.53 22722.33,16122.93 22729.4,16122.93 22740.72,16134.25 22740.72,16141.32 22737.12,16144.92 22737.12,16154.12 22792,16209 22820.26,16209 22825,16213.74 v1(22825,16232)
M_DQ<10>: U1A1.C2 U2A5.AR9 | length 1002.3
  TOP w4: U2A5.AR9@22174.41,16334.97 22199.29,16334.97 22206.32,16342 22242,16342 22277.5,16306.5 22301.76,16306.5 22330.13,16278.13
  TOP w4.2: v1(22710,16188) 22726,16172 22806,16172 22810,16168 22860,16168 22875.49,16152.51 U1A1.C2@22885.02,16152.51
  TOP w6.5: 22330.13,16278.13 22353.76,16254.5 22402.14,16254.5 22434.64,16222 22525.74,16222 22534.74,16231 v1(22553,16231)
  BOTTOM w6.5: v1(22553,16231) 22534.74,16231 22506,16202.26 22506,16131 22530,16107 22579,16107 22635,16163 22685,16163 v1(22710,16188)